# KiCad board Coral Dev Board Micro-PcbDoc.kicad_pcb (continued)
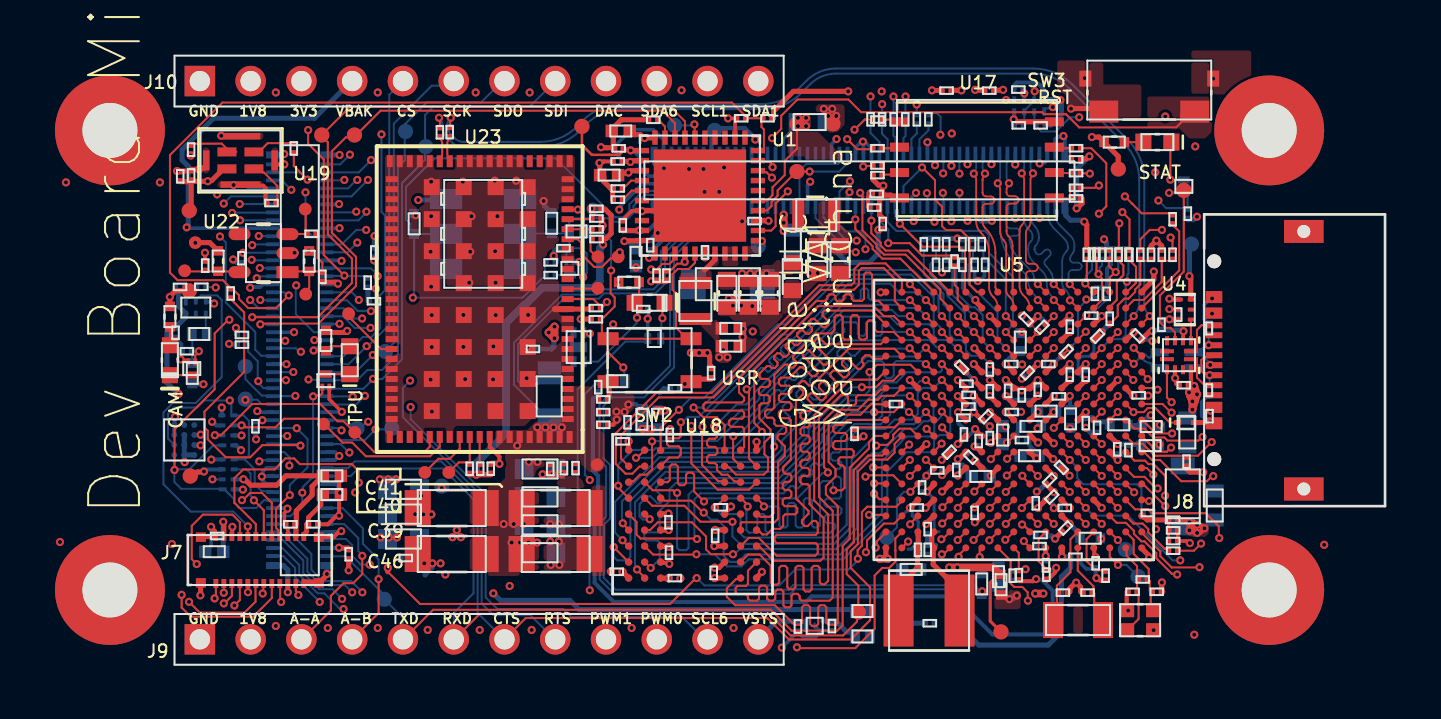
[diagram p0: board, top side]
## Routing (per net, layer and track width the routed paths; a pad name or vN(x,y) marks a point on that pad's centre or on a via; arc(x,y) is an arc through that point) (continued)
  In2.Cu w0.102: v1(46.88,23.99) 47.78,23.08 48.12,23.08 48.43,22.77 48.43,21.1 49.25,20.29 49.25,18.77 49.07,18.59 49.07,16.99 49.18,16.88 49.18,16.01 49.32,15.87 v1(49.32,14.29)
GPIO_SNVS_04: length 52.7
  Top w0.102: v1(43.05,9.45) 43.05,9.42 U5.N10
  In2.Cu w0.102: v1(6.72,18.99) 6.78,19.04 6.78,19.17 9.93,22.32 11.65,22.32 12.11,21.86 17.75,21.86 18.61,22.73 19.55,22.73 20.01,23.18 21.66,23.18 22.68,22.17 23.54,22.17 23.69,22.31 25.42,22.31 25.44,22.29 28.55,22.29 28.98,22.73 30.34,22.73 30.7,22.36 30.7,21.59 30.86,21.44 30.86,21.02 31.62,20.26 31.62,18.96 34.33,16.25 39.96,16.25 40.25,15.96 40.25,14.9 40.52,14.63 40.75,14.63 41.02,14.35 41.02,13.35 41.27,13.09 41.48,13.09 41.78,12.8 41.78,12.54 42.05,12.27 42.37,12.27 42.95,11.7 42.95,9.64 43.05,9.54 v1(43.05,9.45)
  Bottom w0.102: v1(6.72,18.99) 6.7,18.97 6.7,17.54 7.6,16.64 8.25,16.64 8.26,16.64
GPIO_SNVS_06: length 45.2
  Top w0.102: U5.M9 42.62,9.81 v1(42.27,9.47)
  In2.Cu w0.102: v1(42.27,9.47) 42.27,9.53 42.64,9.9 42.64,11.24 42.38,11.51 42.13,11.51 41.85,11.79 41.85,12 41.57,12.29 41.28,12.29 41.06,12.5 41.06,12.71 40.68,13.09 40.41,13.09 40.23,13.28 40.23,14.34 39.97,14.6 39.69,14.6 39.47,14.83 39.47,15.26 39.26,15.46 37.18,15.46 36.65,15.99 34.3,15.99 31.42,18.88 31.42,20.16 30.6,20.97 30.6,21.41 30.22,21.79 25.17,21.79 24.84,22.11 23.77,22.11 23.62,21.96 22.57,21.96 22.19,22.34 19.03,22.34 18.29,21.61 11.76,21.61 11.25,22.12 10.07,22.12 9.78,21.82 v1(9.78,21.13)
  Bottom w0.102: v1(9.78,21.13) 9.29,20.64 8.26,20.64
GPIO_SNVS_07: length 41.6
  Top w0.102: v1(42.22,7.05) U5.R9
  In2.Cu w0.102: v1(42.22,7.05) 42.22,7.04 42.55,6.71 42.55,5.87 40.38,3.7 38.41,3.7 38.29,3.83 34.28,3.83 31.79,6.32 31.79,6.79 29.36,9.21 25.29,9.21 24.66,8.58 22.67,8.58 22.45,8.8 22.45,9.28 20.76,10.97 18.57,10.97 18.11,11.42 9.26,11.42 8.99,11.69 v1(8.99,11.73)
  Bottom w0.102: 8.26,11.84 8.79,11.84 8.91,11.73 v1(8.99,11.73)
GPIO_SNVS_08: length 50.4
  Top w0.102: v1(42.22,8.65) U5.N9
  In5.Cu w0.102: v1(7.63,16.25) 6.9,16.25 5.61,14.95 5.61,14.24 5.99,13.86 9.22,13.86 10.02,14.66 11.11,14.66 11.91,13.86 22.57,13.86 23.54,14.83 26.18,14.83 26.6,14.41 30.29,14.41 34.39,10.31 34.39,7.46 35.12,6.72 35.97,6.72 37.15,5.54 38.13,5.54 38.63,6.04 38.63,7.99 38.9,8.27 41.84,8.27 v1(42.22,8.65)
  Bottom w0.102: 7.51,16.25 v1(7.63,16.25) ; 7.63,16.22 8.24,16.22 8.26,16.24
I2C1_SCL: length 86.4
  Top w0.102: U5.K16 48.62,11.05 49.08,11.05 49.35,10.78 49.68,10.46 51.26,10.46 51.26,10.46 51.83,10.46 52.51,11.14 v1(52.52,11.14)
  In2.Cu w0.102: 27.33,29.21 28.33,29.21 29.4,28.14 30.29,28.14 31.92,29.78 44.61,29.78 46.4,27.98 48.46,27.98 52.19,24.25 52.19,22.24 51.81,21.86 51.81,19.98 52.14,19.65 52.14,16.27 51.94,16.07 51.94,14.45 52.35,14.04 52.35,13.1 52.19,12.94 52.19,12.94 52.12,12.87 52.12,11.92 52.52,11.51 v1(52.52,11.14) ; v1(2.9,21.43) 1.85,22.48 1.85,24.26 2.23,24.64 2.23,26.46 3.91,28.14 18.69,28.14 18.69,28.14 26.09,28.14 27.16,29.21 J10.11
  Bottom w0.102: v1(2.9,21.43) 3.2,21.14 3.2,18.13 4.67,16.65 4.67,15.77 4.97,15.46 5.52,15.46 J5.51
I2C1_SDA: length 72.6
  Top w0.102: 50.49,12.62 50.06,13.05 U5.H17
  In5.Cu w0.102: v1(10.98,26.55) 11.36,26.92 20.09,26.92 21.11,27.93 22.91,27.93 23.12,28.14 27.74,28.14 28.81,29.21 29.81,29.21 29.83,29.22 ; J10.12 30.57,29.94 45.03,29.94 46.78,28.19 48.59,28.19 52.19,24.58 52.19,21.99 50.77,20.57 50.77,17.14 50.34,16.71 50.34,14.2 50.44,14.09 50.44,13.57 50.16,13.29 50.16,12.99 50.49,12.66 50.49,12.62
  Bottom w0.102: v1(10.98,26.55) 10.98,22.66 11.16,22.49 11.16,18.74 10.91,18.49 10.91,16.83 10.48,16.4 10.05,16.4 9.09,15.44 8.26,15.44
  vias: v1(50.52,12.62)
I2C5_SCL: length 63.9
  Top w0.102: 25.24,19.77 25.25,19.78 25.5,19.78 25.79,20.07 26.07,20.07 v1(26.16,20.16) 26.17,20.17 26.17,20.49 ; v1(41.42,8.65) U5.N8
  In2.Cu w0.102: v1(26.16,20.16) 26.84,20.85 29.8,20.85 30.81,19.84 30.81,18.63 34.25,15.18 35.48,15.18 36.9,13.76 36.9,13.43 37.28,13.05 38.36,13.05 38.6,12.81 38.6,12.54 38.85,12.29 39.16,12.29 40.18,11.27 40.18,10.91 40.51,10.57 40.85,10.57 41.09,10.33 41.09,9.11 41.36,8.84 41.36,8.71 v1(41.42,8.65)
  In5.Cu w0.102: v1(3.4,13.23) 3.4,14.32 8.91,19.83 18.04,19.83 19.13,20.92 21.03,20.92 21.66,20.29 23.36,20.29 23.79,20.72 25.6,20.72 v1(26.16,20.16)
  Bottom w0.102: J5.17 5.5,8.68 4.99,8.68 4.64,9.03 4.64,9.77 4.14,10.28 ; 3.54,10.28 U13.5 4.14,10.28 ; 4.14,10.28 4.15,10.28 4.35,10.48 4.35,12.21 4.08,12.48 3.52,12.48 3.47,12.53 3.47,13.07 3.4,13.14 v1(3.4,13.23) 2.11,13.23 1.76,12.87 0.61,12.87 0.3,12.56 0.3,11.32 U6.A3
I2C5_SCL_CAM: length 4.3
  Top w0.102: J7.7 5.1,7.73 v1(4.6,8.23)
  Bottom w0.102: v1(4.6,8.23) 4.6,8.29 4.44,8.46 4.44,9.57 4.23,9.78 U13.6
I2C5_SCL_MCM: length 12.1
  Top w0.102: v1(3.98,11.98) 4.07,11.98 4.17,11.88 4.78,11.88 4.78,11.88 5.68,11.88 6.11,12.31 7.77,12.31 8.04,12.05 8.09,12.05 ; TP41.1 8.11,12.04 9.04,11.12 9.52,11.12 10.21,10.43 13.42,10.43 13.9,10.91 u23.50
  Bottom w0.102: U10.6 3.89,11.98 3.98,11.88 v1(3.98,11.98)
I2C5_SDA: length 67.2
  Top w0.102: 24.75,19.77 24.77,19.77 24.85,19.85 24.85,19.87 25.03,20.06 25.4,20.06 25.59,20.25 25.59,20.5 U1.13 ; v1(3.37,17.26) 3.32,17.26 2.64,16.58 2.64,13.78 0.63,11.78 v1(0.63,9.75) ; v1(40.65,8.67) 40.65,8.67 U5.N7
  In2.Cu w0.102: v1(40.65,8.67) 40.65,9.2 39.95,9.9 38.83,9.9 38.62,10.11 38.62,10.47 38.41,10.69 38.1,10.69 37.79,11 37.79,11.21 37.3,11.7 37.11,11.7 35.71,13.1 34.7,13.1 30.3,17.5 30.3,18.2 29.64,18.87 25.39,18.87 v1(24.48,19.78) 24.48,19.7 23.57,18.79 22.7,18.79 22.12,19.37 22.12,19.92 21.17,20.87 18.92,20.87 17.93,19.88 10.65,19.88 8.21,17.44 6.11,17.44 5.35,16.68 4.47,16.68 3.88,17.26 v1(3.37,17.26)
  Bottom w0.102: U10.1 2.57,10.98 1.38,9.78 0.67,9.78 v1(0.63,9.75) ; U13.1 3.14,8.78 3.19,8.73 3.19,8.71 3.62,8.28 3.62,8.1 3.87,7.85 4.73,7.85 5.12,8.24 J5.15 ; v1(0.63,9.75) 0.62,9.74 0.62,9.15 0.96,8.8 3.04,8.8 ; v1(0.63,9.75) 0.63,9.75 0.63,10.49 U6.A4
I2C5_SDA_CAM: length 5.9
  Top w0.102: v1(4,8.24) 4.06,8.24 4.42,8.6 5.01,8.6 5.5,8.1 J7.8
  In2.Cu w0.102: v1(4,8.24) 3.57,8.24 v1(2.53,9.28)
  Bottom w0.102: v1(2.53,9.28) 2.53,9.28 3.01,9.28 U13.2
I2C5_SDA_MCM: length 13
  Top w0.102: v1(2.65,11.49) 2.96,11.49 4.52,13.05 7.92,13.05 8.78,12.18 9.09,12.18 TP42.1 10.61,10.67 13.16,10.67 13.4,10.91 u23.49
I2C6_SCL: length 66.5
  Top w0.102: v1(41.42,7.05) U5.R8
  In2.Cu w0.102: v1(12.44,12.9) 12.52,12.9 12.7,13.07 13.69,13.07 14.17,12.59 20.64,12.59 23.46,9.77 24.66,9.77 24.91,10.03 29.7,10.03 32.6,7.12 32.6,6.65 34.51,4.74 38.87,4.74 39.09,4.51 39.95,4.51 40.41,4.98 40.41,5.48 41.01,6.08 41.01,6.63 41.42,7.04 v1(41.42,7.05) ; v1(5.03,12.24) 5.38,12.59 7.84,12.59 8.13,12.3 9.55,12.3 10.05,12.81 12.41,12.81 12.47,12.87
  In5.Cu w0.102: 27.3,1.24 27.3,1.43
  Bottom w0.102: 27.3,1.24 27.17,1.24 26.03,2.38 20.49,2.38 20.09,2.79 16.79,2.79 16.2,3.37 16.2,8.53 12.44,12.29 v1(12.44,12.9)
I2C6_SDA: length 71
  Top w0.102: v1(7.32,26.76) 7.32,26.07 8.1,25.29 8.1,20.5 v1(9.13,19.47) ; v1(41.42,7.85) U5.P8
  In2.Cu w0.102: v1(41.42,7.85) 41.04,8.23 41.04,8.8 40.85,8.99 40.85,9.43 40.26,10.03 40.26,10.41 40.01,10.65 39.68,10.65 39.44,10.89 39.44,11.3 39.29,11.45 38.85,11.45 38.66,11.64 38.66,12 38.47,12.19 37.3,12.19 36.88,12.61 36.88,12.7 36.07,13.51 34.86,13.51 32.45,15.92 32.45,16.7 30.6,18.54 30.6,19.72 30.06,20.26 27.76,20.26 27.3,19.8 25.97,19.8 24.82,20.95 23.89,20.95 23.28,21.56 22.51,21.56 22.38,21.43 18.69,21.43 18.36,21.1 10.38,21.1 9.13,19.84 v1(9.13,19.47)
  In5.Cu w0.102: 24.73,29.21 23.73,29.21 22.65,28.14 20.85,28.14 20.47,27.76 8.31,27.76 v1(7.32,26.76)
  Bottom w0.102: 10.3,19.42 10.27,19.45 9.15,19.45 v1(9.13,19.47) 9.11,19.46 8.27,19.46 8.26,19.44
LED_BRD_A: length 0.9
  Top w0.102: R170.1 LED4.2
LED_BRD_K: length 2.6
  Top w0.102: v1(50.46,24.28) 50.46,26.1 LED4.1
  Bottom w0.102: v1(50.46,24.28) 51.14,24.28
LED_PRIVACY: length 0.9
  Top w0.102: LED2.A 0.4,15.99 R168.1
LED_PRIVACY_K: length 1.1
  Top w0.102: LED2.K 1.49,14.49 Q1.3
LED_TPU: length 1.3
  Top w0.102: R171.1 8.21,15.71 8.44,15.94 LED5.2
LED_TPU_K: length 1.2
  Top w0.102: Q3.3 8.2,14.54 LED5.1
LED_USR_A: length 1.2
  Top w0.102: R169.1 23.88,18.34 LED3.A ; 23.9,19.14 23.9,19.17
LED_USR_K: length 1.9
  Top w0.102: LED3.K 25.04,18 v1(25.04,17.34)
  Bottom w0.102: Q2.3 24.99,16.36 24.99,17.29 v1(25.04,17.34)
LPSPI1_PCS0: length 32.2
  Top w0.102: v1(49.6,9.52) 49.28,9.84 49.03,9.84 U5.M17
  In2.Cu w0.102: v1(49.6,9.52) 49.68,9.52 49.77,9.61 49.81,9.61 51.2,11 51.2,11.9 50.92,12.18 50.92,13.25 50.73,13.44 50.73,13.88 51.13,14.27 51.13,16.11 51.48,16.47 51.48,18.46 50.85,19.09 50.85,20.92 51.05,21.13 51.05,21.82 50.81,22.06 50.81,24.42 48.42,26.82 46.26,26.82 45.35,25.9 39.93,25.9 39.09,25.06 v1(39.09,24.59)
  Bottom w0.102: 39.1,25.6 39.1,24.61 v1(39.09,24.59)
LPSPI1_SCK: length 36.6
  Top w0.102: U5.L17 49.07,10.6 49.18,10.6 49.54,10.24 49.94,10.24 51,9.18 52.28,9.18 52.54,9.44 v1(52.6,9.44)
  In2.Cu w0.102: v1(52.6,9.44) 52.34,9.18 51.74,9.18 51.51,9.42 51.51,11.88 51.15,12.24 51.15,13.31 50.94,13.53 50.94,13.79 51.34,14.19 51.34,16.04 51.69,16.39 51.69,18.67 51.05,19.3 51.05,20.1 51.28,20.33 51.28,21.91 51.01,22.18 51.01,24.64 48.64,27.02 46.17,27.02 45.25,26.1 39.79,26.1 v1(38.68,25)
  Bottom w0.102: 38.7,25.6 38.68,25.58 v1(38.68,25)
LPSPI1_SDI: length 28.7
  Top w0.102: v1(50.54,11.57) 49.73,11.57 49.06,12.25 U5.J17
  In2.Cu w0.102: v1(50.54,11.57) 49.55,11.57 49.12,12.01 49.12,12.77 49.48,13.13 49.68,13.13 50.16,13.62 50.16,14.08 50.14,14.11 50.14,15.15 50.34,15.35 50.34,16.71 50.9,17.27 50.9,18.47 50.42,18.95 50.42,20.06 49.09,21.38 49.09,23.84 47.14,25.8 45.84,25.8 45.53,25.49 40.23,25.49 39.9,25.17 v1(39.9,24.58)
  Bottom w0.102: v1(39.9,24.58) 39.9,24.58 39.9,25.6
LPSPI1_SDO: length 28.8
  Top w0.102: U5.K17 49.55,10.92 49.55,10.87 49.76,10.66 50.28,10.66 50.48,10.86 v1(50.49,10.86)
  In2.Cu w0.102: v1(50.49,10.86) 50.52,10.86 50.92,11.27 50.92,11.71 50.03,12.6 50.03,13.2 50.37,13.53 50.37,14.17 50.34,14.2 50.34,15.06 50.54,15.27 50.54,16.62 51.15,17.23 51.15,18.5 50.64,19.01 50.64,21.05 50.82,21.23 50.82,21.63 49.3,23.16 49.3,24.05 47.34,26 45.74,26 45.43,25.7 40.13,25.7 39.6,25.17 39.6,25.15 39.5,25.05 v1(39.5,24.97)
  Bottom w0.102: v1(39.5,24.97) 39.5,24.97 J6.73 39.5,25.6
LPSPI6_CS0: length 50.1
  Top w0.102: v1(39.05,7.88) U5.P5
  In2.Cu w0.102: v1(10.25,15.94) 10.8,16.5 17.17,16.5 19.02,14.65 22.2,14.65 22.63,14.22 23.54,14.22 23.73,14.41 26.52,14.41 27.93,13 30.68,13 36.25,7.42 38.6,7.42 v1(39.05,7.88)
  Bottom w0.102: 12.06,29.24 J10.5 11.38,28.53 11.38,17.01 10.31,15.94 v1(10.25,15.94) 9.34,15.04 8.26,15.04
LPUART1_RXD: length 46.7
  In2.Cu w0.102: v1(42.24,28.26) 38.3,28.26 37.33,29.23 31.95,29.23 30.46,27.74 28.72,27.74 28.55,27.9 26.43,27.9 26.26,27.74 18.86,27.74 18.85,27.73 5.24,27.73 3.17,25.66 3.17,23.16 v1(3.09,23.08)
  Bottom w0.102: v1(42.24,28.26) 42.64,28.26 U14.5 ; v1(3.09,23.08) 3.45,23.44 J5.91
LPUART1_RXD_BT: length 27.2
  Top w0.102: U5.M15 v1(47.82,9.45)
  In5.Cu w0.102: v1(43.15,28.59) 43.16,28.59 43.4,28.35 43.92,28.35 44.22,28.65 45.17,28.65 46.64,27.17 48.35,27.17 51.08,24.45 51.08,23.51 49.99,22.42 49.78,22.42 49.15,21.79 49.15,18.19 49.07,18.11 49.07,17.3 49.2,17.17 49.2,15.05 48.85,14.71 48.55,14.71 48.19,14.34 48.19,9.81 v1(47.82,9.45)
  Bottom w0.102: v1(43.15,28.59) 43.15,28.61
LPUART1_TXD: length 48.3
  In2.Cu w0.102: v1(44.57,27.91) 38.53,27.91 38.22,27.6 35.62,27.6 35.11,28.11 34.42,28.11 33.71,28.82 31.83,28.82 30.54,27.53 28.63,27.53 28.47,27.7 26.51,27.7 26.35,27.53 18.95,27.53 18.43,27.02 12.68,27.02 12.18,27.52 5.32,27.52 3.95,26.15 3.95,23.11 v1(3.9,23.06)
  Bottom w0.102: J5.89 5.53,23.06 5.52,23.04 5.5,23.06 v1(3.9,23.06) ; v1(44.57,27.91) 44.49,27.91 44.42,27.84 44.19,27.84 44.14,27.79 U14.1
LPUART1_TXD_BT: length 27.7
  Top w0.102: U5.L13 v1(46.22,10.25)
  In5.Cu w0.102: v1(46.22,10.25) 46.63,10.66 47.19,10.66 47.4,10.87 47.4,14.33 47.72,14.65 47.95,14.65 48.18,14.87 48.18,15.23 48.45,15.51 48.77,15.51 48.99,15.73 48.99,16.78 48.76,17.02 48.55,17.02 48.27,17.3 48.27,17.6 48.94,18.27 48.94,22 49.56,22.62 49.91,22.62 50.82,23.54 50.82,24.41 48.27,26.97 46.32,26.97 v1(45.89,27.4)
  Bottom w0.102: U14.2 43.65,27.66 43.65,27.05 43.66,27.04 43.66,27.02 43.99,26.69 44.73,26.69 45.44,27.4 v1(45.89,27.4)
LPUART2_CTS_B: length 5.5
  Top w0.102: v1(36.34,21.1) 37.41,21.1 38.03,20.48 39.66,20.48
  Bottom w0.102: v1(36.34,21.1) 36.34,21.78 35.9,22.22 J6.56
LPUART2_CTS_B_R: length 2.3
  Top w0.102: 39.66,19.88 39.66,19 39.82,18.84 39.82,18.25 U5.B6
LPUART2_RTS_B: length 6.5
  Top w0.102: v1(35.5,22.23) 35.49,22.22 35.49,21.6 35.96,21.13 35.96,20.98 36.21,20.73 37.34,20.73 U5.A5
  Bottom w0.102: v1(35.5,22.23) 35.5,22.88 J6.54
LPUART2_RXD: length 6.8
  Top w0.102: v1(36.92,22.07) 38.07,20.92 39.89,20.92 40.18,20.64 40.18,18.69 U5.A6
  Bottom w0.102: v1(36.92,22.07) 36.92,22.13 36.7,22.35 J6.60
LPUART2_TXD: length 12.1
  Top w0.102: v1(42.22,16.65) U5.D9
  Bottom w0.102: v1(42.22,16.65) 42.58,17 42.58,19.41 41.37,20.62 41.37,21.51 41.17,21.71 36.74,21.71 36.3,22.16 J6.58
LPUART6_CTS_B: length 46.9
  Top w0.102: U5.K2 37.02,11.42 36.66,11.05 36.66,10.62 36.31,10.27 35.42,10.27 34.82,9.66 34.82,9.26 34.82,9.26 34.82,7.73 34.82,7.73 34.82,6.04 34.46,5.69 34.46,4.84 35.43,3.88 35.43,2.23 34.46,1.26 31.37,1.26 30.33,2.3 30.31,2.3 30.28,2.34 18.21,2.34 17.53,1.66 17.53,1.49 ; 17.18,1.24 17.48,1.54
  Bottom w0.102: 8.26,9.84 9.31,9.84 9.65,10.18 13.98,10.18 15.79,8.36 15.79,2.6 17.14,1.25
LPUART6_RTS_B: length 62.5
  Top w0.102: U5.K4 38.62,11.45 38.26,11.8 v1(38.26,11.8)
  In5.Cu w0.102: v1(6.57,14.65) 6.8,14.88 11.76,14.88 v1(12.42,14.22) 12.92,14.72 21.79,14.72 22.3,15.23 26.05,15.23 26.26,15.03 26.26,15.03 26.62,14.67 30.42,14.67 34.59,10.5 34.59,7.69 35.28,7 35.98,7 37.18,5.81 37.54,5.81 37.8,6.08 37.8,11.35 v1(38.26,11.8)
  Bottom w0.102: v1(12.42,14.22) 12.05,13.85 12.05,12.39 16,8.44 16,3.07 16.58,2.48 18.44,2.48 19.68,1.24 ; J5.47 5.55,14.64 6.57,14.64 v1(6.57,14.65)
LPUART6_RXD: length 47
  Top w0.102: U5.L1 36.22,10.65 36.04,10.47 35.34,10.47 34.62,9.75 34.62,9.17 34.62,9.17 34.62,7.82 34.62,7.81 34.62,6.12 34.26,5.77 34.26,4.54 34.84,3.95 TP31.1 34.78,2.57 34.78,2.16 34.08,1.47 31.45,1.47 30.37,2.55 15.91,2.55 14.6,1.24
  Bottom w0.102: 14.6,1.24 14.6,2.58 15.59,3.57 15.59,8.28 14.05,9.82 9.83,9.82 9.44,9.44 8.26,9.44
LPUART6_TXD: length 40.2
  Top w0.102: U5.K1 35.68,11.45 35.38,11.14 35.38,10.83 34.41,9.86 34.41,6.3 34.06,5.95 34.06,1.97 33.79,1.71 31.5,1.71 30.46,2.75 13.57,2.75 12.06,1.24
  Bottom w0.102: 8.26,5.44 8.27,5.43 9.19,5.43 10.96,3.66 10.96,3.62 11.13,3.45 TP30.1 12.06,2.34 12.06,1.24
LPUART8_RXD: length 45.6
  Top w0.102: v1(41.42,16.65) U5.D8
  In2.Cu w0.102: v1(7.18,23.64) 7.21,23.67 11.35,23.67 12.49,24.81 20.66,24.81 21.27,24.2 22.22,24.2 22.75,23.67 25.35,23.67 25.73,23.28 28.16,23.28 28.51,23.63 30.29,23.63 30.96,24.3 31.51,24.3 32.32,23.49 32.32,21.17 34.27,19.22 36.77,19.22 37.18,19.63 37.66,19.63 38.13,19.16 38.42,19.16 38.82,18.76 41.02,18.76 41.78,18 41.78,17 v1(41.42,16.65)
  Bottom w0.102: v1(7.18,23.64) 7.18,21.79 7.53,21.44 8.26,21.44
LPUART8_TXD: length 9.1
  Top w0.102: U5.B5 38.95,18.32 38.95,18.78 37.21,20.53 36.13,20.53 35.76,20.89 35.76,21.03 35.05,21.74 35.05,23.42 34.93,23.53 v1(34.93,23.61)
  Bottom w0.102: v1(34.93,23.61) 35.1,23.45 J6.52
MCM_1V8: length 81.7
  Top w0.102: v1(34.82,5.3) 34.81,5.32 34.81,5.74 35.02,5.96 35.02,7.65 35.29,7.91 35.61,7.91 ; 11.3,4.65 12.91,3.04 25.42,3.04 26.72,4.34 v1(26.76,4.34)
  Top w0.104: U5.P2 37.02,8.19 36.74,7.91 35.61,7.91
  Top w0.254: R99.2 2.8,20.72 2.39,21.13 TP34.1 v1(1.67,21.11) ; 22.04,22.81 22.04,22.79 22.04,22.79 22.18,22.79 22.48,22.5 22.48,21.58 22.22,21.33 22.05,21.33 22.05,21.04 v1(22.07,21.02) ; 15.4,9.51 v1(15.73,9.51) 16.45,9.51 16.45,9.51 ; 11.3,4.65 v1(11.3,4.84)
  In2.Cu w0.254: v1(3.98,11.47) 3.98,11.43 4.06,11.36 4.06,11.3 4.52,10.84 6.45,10.84 7.95,9.34 8.96,9.34 v1(9.67,8.62) ; v1(2.51,12.16) 2.51,15.64 1.67,16.48 1.67,21.11 v1(1.67,21.11)
  In3.Cu w0.381: v1(9.67,8.62) 9.67,8.63 9.63,8.63 9.36,8.91 9.36,9.32 9.89,9.85 15.38,9.85 v1(15.73,9.51) ; 9.68,8.62 10.36,7.94 10.36,5.97 11.3,5.03 v1(11.3,4.84)
  In5.Cu w0.203: v1(3.98,11.47) 3.93,11.47 3.83,11.57 3.82,11.57 3.23,12.16 v1(2.51,12.16)
  Bottom w0.102: v1(26.76,4.34) 26.78,4.34 27.15,3.97 30.89,3.97 31.69,4.77 34.36,4.77 34.82,5.22 v1(34.82,5.3)
  Bottom w0.203: v1(3.98,11.47) 3.98,11.48 3.6,11.48 U10.7 ; v1(2.51,12.16) 2.55,12.16 2.73,11.98 U10.3
  Bottom w0.381: v1(15.73,9.51) 15.73,10.08 17.22,11.57 17.22,17.1 18.12,18 18.16,18 19.03,18.86 21.59,18.86 21.92,19.19 21.92,20.86 22.07,21.02 v1(22.07,21.02)
MCM_1V8_R: length 2.7
  Top w0.102: 1.17,19.68 3.85,19.68
MCM_3V3: length 84.8
  Top w0.254: U5.D16 v1(48.62,16.65) ; v1(9.27,16.71) 9.23,16.71 9.15,16.63 8.31,16.63 R171.2
  In2.Cu w0.381: v1(17.5,6.11) v1(17.92,6.11) v1(18.34,6.11) v1(18.77,6.11) ; v1(18.78,11.88) v1(19.19,11.88) v1(19.59,11.88) v1(20.01,11.88)
  In3.Cu w0.381: 7.35,20.68 7.35,19.36 9.38,17.33 9.38,16.83 9.27,16.71 v1(9.27,16.71) ; v1(17.5,6.11) v1(17.92,6.11) v1(18.34,6.11) v1(18.77,6.11) ; v1(7.35,20.73) 7.35,20.74 7.36,20.75 7.36,22.74 8.38,23.75 12.24,23.75 12.47,23.98 12.89,23.98 13.2,23.68 17.94,23.68 18.06,23.81 19.68,23.81 20.17,23.32 20.17,18.36 18.84,17.04 18.84,15.83 19.57,15.11 21.35,15.11 23.22,16.98 23.22,17.52 23.71,18 23.99,18 24.98,18.98 24.98,21.07 25.32,21.42 25.32,22.55 25.88,23.11 31.34,23.11 34.84,19.6 37.66,19.6 38.63,18.64 39.43,18.64
  In4.Cu w0.381: v1(18.78,11.88) v1(19.19,11.88) v1(19.59,11.88) v1(20.01,11.88) ; v1(17.5,6.11) v1(17.92,6.11) v1(18.34,6.11) v1(18.77,6.11)
  In5.Cu w0.381: v1(18.78,11.88) v1(19.19,11.88) v1(19.59,11.88) v1(20.01,11.88) ; v1(17.5,6.11) v1(17.92,6.11) v1(18.34,6.11) v1(18.77,6.11)
  Bottom w0.102: J6.6 25.9,22.65 25.94,22.61 25.95,22.61 26.03,22.52 26.03,21.76 24.96,20.69 24.96,19.15 24.6,18.79 22.04,18.79 21.77,18.52 20.02,18.52 17.61,16.12 17.61,14.02 R22.2
  vias: v1(17.1,7.04) v1(17.6,7.04) v1(17.78,10.97) v1(18.1,7.04) v1(18.36,10.15) v1(18.79,10.15)
MCM_3V3_SENSE: length 17
  Bottom w0.102: J6.8 26.26,22.84 26.26,22.57 26.23,22.55 26.23,21.68 25.17,20.61 25.17,19.07 24.68,18.59 22.12,18.59 21.85,18.32 20.1,18.32 17.81,16.03 17.81,14.2 18.03,13.99 18.63,13.99 18.73,14.08 18.85,14.08 R22.1 19.1,14.88
MCM_AON: length 1.2
  Top w0.102: u23.54 15.9,11.39 15.9,10.18
MCM_AON_PMIC_EN: length 2.5
  Top w0.102: TP43.1 14.36,9.63 14.86,10.13 15.38,10.13 15.4,10.11 ; 15.36,10.14 15.4,10.18 u23.53
MCM_BT_PHY_PRG: length 1.8
  Top w0.102: v1(21.48,22.83) 21.45,22.83 21.44,22.81 21.44,22.33 ; u23.84 21.44,22.3
  Bottom w0.102: TP35.1 21.55,22.81 21.54,22.83 v1(21.48,22.83)
MCM_LDO_EN: length 2.2
  Top w0.102: 6.29,21.56 7.18,21.56 ; 6.79,21.55 6.8,21.56 ; TP32.1 7.19,22.78 7.19,21.57 7.19,21.56
MCM_LDO_IN: length 4.9
  Top w0.102: 7.39,19.68 7.39,19.68 8.03,19.68 8.03,20.12 7.79,20.35 7.79,21.56 ; TP29.1 7.2,18.69 7.37,18.86 R93.2 6.32,19.68 U22.1
MCM_SD_ALARM: length 24.9
  Top w0.102: v1(39.01,11.07) 39.01,11.05 38.62,10.66 U5.L4 ; u23.82 20.8,21.3 20.98,21.13 20.98,20.56 21.63,19.91 22.02,19.91 22.45,20.34 22.6,20.34 v1(22.91,20.64)
  In2.Cu w0.102: v1(39.01,11.07) 38.94,11.07 38.56,11.45 37.84,11.45 37.3,11.99 37.21,11.99 35.9,13.3 34.78,13.3 30.5,17.58 30.5,18.29 29.7,19.09 26.15,19.09 24.52,20.72 23.12,20.72 23.1,20.7 22.97,20.7 v1(22.91,20.64)
MCM_USB2_D_N: length 1.2
  Top w0.02: 14.01,25.5 arc(14,25.48) 14,25.47 ; 14.01,25.5 arc(14.02,25.51) 14.02,25.52
  Top w0.102: 14.02,26.07 14.02,25.52 ; 14,25.47 14,25.39 arc(13.98,25.3) 13.93,25.23 u23.14 ; 14.02,26.07 arc(13.99,26.22) 13.91,26.35
MCM_USB2_D_P: length 1.2
  Top w0.02: 14.3,25.47 arc(14.3,25.48) 14.29,25.5 arc(14.28,25.51) 14.28,25.52
  Top w0.102: 14.28,25.52 14.28,26.06 arc(14.31,26.22) 14.4,26.35 arc(14.4,26.35) 14.4,26.36 ; 14.3,25.47 14.3,25.39 arc(14.32,25.3) 14.37,25.23 u23.13
MCM_USB_SEL: length 2.7
  Top w0.102: TP36.1 21.75,20.41 21.45,20.72 21.45,21.3 ; 21.45,21.28 21.45,21.79 21.44,21.79 20.31,21.79 u23.83
MCU_DCDC_IN: length 8.8
  Top w0.102: 41.85,4.51 41.85,4.6
  Top w0.152: 41.85,4.51 41.44,4.11 41.44,2.18 TP17.1
  Top w0.254: U5.N5 39.42,9.04 39.05,8.67 v1(39.04,8.67) ; U5.M5 39.07,9.49 v1(39.04,9.49) ; U5.L5 39.03,10.25 v1(39.02,10.25)
  Top w0.381: 41.85,4.6 41.58,4.87 v1(39.39,4.87)
  In2.Cu w0.381: v1(39.39,4.87) v1(39.8,4.87)
  In4.Cu w0.381: v1(39.39,4.87) v1(39.8,4.87)
  In5.Cu w0.381: v1(39.39,4.87) v1(39.8,4.87)
MIC_CH_SEL: length 2
  Top w0.102: 5.78,23.11 5.77,23.11 5.77,23.97 5.1,24.64 5.03,24.64 4.99,24.68 4.99,24.75
MIC_CLK: length 55.5
  Top w0.102: v1(7.29,24.28) 6.6,24.96 6.6,25.54 ; v1(39.82,8.65) U5.N6
  In5.Cu w0.102: v1(7.29,24.28) 7.68,23.88 11.13,23.88 12.34,25.09 20.52,25.09 21.51,26.08 21.51,26.08 21.73,26.31 23.49,26.31 24.2,25.6 28.07,25.6 29.49,27.02 30.82,27.02 32.3,25.54 34.4,25.54 34.55,25.39 35.23,25.39 36.47,24.14 36.47,22.88 36.23,22.63 36.23,21.83 36.72,21.33 36.72,13.51 37.16,13.07 39.94,13.07 40.23,12.78 40.23,9.06 v1(39.82,8.65)
  Bottom w0.102: J5.97 6.9,24.64 7.27,24.28 v1(7.29,24.28)
MIC_CLK_R: length 2.2
  Top w0.102: U19.2 4.86,25.67 5.29,26.1 6.56,26.1 6.6,26.14
MIPI_CSI_CK_N: length 5.8
  Top w0.089: v1(44.62,19.05) U5.A12
  Bottom w0.089: 43.88,21.46 43.88,21.37 43.88,21.37 arc(43.87,21.35) 43.87,21.33 arc(43.87,21.29) 43.86,21.25 arc(43.86,21.25) 43.86,21.24 arc(43.8,21.1) 43.71,20.97 arc(43.67,20.92) 43.66,20.85 43.66,20.8 arc(43.66,20.78) 43.66,20.77 43.72,20.64 arc(43.85,20.53) 44.01,20.58 44.16,20.73 arc(44.29,20.78) 44.42,20.73 arc(44.47,20.6) 44.42,20.47 44.2,20.25 arc(44.15,20.12) 44.2,19.99 44.29,19.9 44.49,19.62 arc(44.5,19.6) 44.51,19.58 arc(44.51,19.57) 44.51,19.56 arc(44.57,19.37) 44.59,19.18 44.59,19.13 arc(44.59,19.1) 44.61,19.07 arc(44.61,19.06) v1(44.62,19.05) ; J6.94 arc(43.47,22.84) 43.46,22.79 43.46,22.46 arc(43.52,22.18) 43.68,21.94 arc(43.8,21.77) 43.86,21.58 arc(43.87,21.52) 43.88,21.46
MIPI_CSI_CK_P: length 5.8
  Top w0.089: v1(44.62,18.25) U5.B12
  Bottom w0.089: J6.92 arc(43.13,22.84) 43.14,22.79 43.14,22.29 arc(43.19,22.04) 43.33,21.84 43.45,21.72 arc(43.53,21.6) 43.56,21.46 43.56,21.37 arc(43.54,21.28) 43.48,21.2 arc(43.38,21.04) 43.34,20.85 43.34,20.79 arc(43.41,20.43) 43.62,20.13 44.06,19.68 arc(44.22,19.45) 44.27,19.17 44.27,19.08 arc(44.35,18.71) 44.56,18.39 44.57,18.38 arc(44.61,18.32) v1(44.62,18.25)
MIPI_CSI_D0_N: length 5.8
  Top w0.089: v1(43.82,19.05) U5.A11
  Bottom w0.089: J6.88 arc(42.27,22.84) 42.26,22.79 42.26,22.02 arc(42.31,21.89) 42.44,21.84 42.74,21.84 arc(42.87,21.78) 42.92,21.65 arc(42.87,21.52) 42.74,21.47 42.58,21.47 arc(42.44,21.4) 42.4,21.24 42.48,20.92 arc(42.49,20.89) 42.5,20.87 arc(42.53,20.82) 42.55,20.77 arc(42.73,20.51) 42.93,20.27 43.48,19.72 arc(43.59,19.55) 43.63,19.35 43.63,19.35 arc(43.65,19.27) 43.7,19.2 43.81,19.09 arc(43.82,19.07) v1(43.82,19.05)
MIPI_CSI_D0_P: length 5.8
  Top w0.089: v1(43.82,18.25) U5.B11
  Bottom w0.089: 41.94,22.79 41.94,21.83 arc(42.13,20.89) 42.66,20.09 43.25,19.5 arc(43.3,19.43) 43.32,19.35 arc(43.41,18.87) 43.68,18.47 43.77,18.38 arc(43.81,18.32) v1(43.82,18.25) ; 41.94,22.79 arc(41.93,22.84) J6.86
MIPI_CSI_D1_N: length 5.8
  Top w0.089: v1(45.42,19.05) U5.A13
  Bottom w0.089: v1(45.42,19.05) 45.41,19.06 arc(45.38,19.1) 45.36,19.16 arc(45.36,19.17) 45.36,19.18 45.36,19.26 45.36,19.26 45.36,19.57 arc(45.41,19.7) 45.54,19.75 45.83,19.75 arc(45.96,19.81) 46.02,19.94 arc(45.96,20.07) 45.83,20.12 45.62,20.12 arc(45.46,20.2) 45.45,20.38 45.48,20.47 45.48,20.47 45.61,20.65 arc(45.62,20.67) 45.62,20.69 arc(45.65,20.78) 45.65,20.88 45.65,21.02 arc(45.61,21.25) 45.48,21.44 44.94,21.98 arc(44.73,22.29) 44.66,22.66 44.66,22.79 arc(44.67,22.84) J6.100
MIPI_CSI_D1_P: length 5.7
  Top w0.089: U5.B13 45.82,17.85 45.43,18.24 v1(45.43,18.24)
  Bottom w0.089: 44.63,21.84 45.16,21.31 arc(45.29,21.11) 45.34,20.89 45.34,20.88 arc(45.32,20.78) 45.26,20.69 45.26,20.69 arc(45.1,20.45) 45.04,20.17 arc(45.04,20.17) 45.04,20.17 45.04,19.09 arc(45.07,18.94) 45.15,18.82 45.25,18.73 arc(45.38,18.5) v1(45.43,18.24) ; 44.34,22.53 44.34,22.79 ; 44.34,22.53 arc(44.37,22.29) 44.46,22.07 arc(44.53,21.95) 44.62,21.84 ; 44.34,22.79 arc(44.33,22.84) J6.98
MIPI_DSI_CK_N: length 7.8
  Top w0.089: v1(42.38,24.1) 42.38,24.1 arc(42.36,24.02) 42.32,23.95 arc(42.31,23.94) 42.3,23.93 arc(42.29,23.91) 42.28,23.89 42.26,23.81 42.26,23.63 arc(42.31,23.5) 42.44,23.45 42.68,23.45 arc(42.81,23.39) 42.86,23.26 arc(42.81,23.13) 42.68,23.08 42.44,23.08 arc(42.31,23.03) 42.26,22.89 42.26,21.68 arc(42.28,21.56) 42.35,21.46 42.35,21.46 arc(42.5,21.23) 42.56,20.95 42.56,18.8 arc(42.57,18.75) 42.59,18.7 arc(42.6,18.67) U5.A9
  Bottom w0.089: 42.3,25.6 arc(42.27,25.55) 42.26,25.5 42.26,24.39 arc(42.27,24.31) 42.32,24.24
MIPI_DSI_CK_P: length 7.9
  Top w0.089: U5.B9 42.62,17.93 arc(42.57,18.18) 42.43,18.39 arc(42.43,18.39) 42.42,18.39 arc(42.39,18.42) 42.37,18.45 arc(42.27,18.59) 42.24,18.75 42.24,20.95 arc(42.21,21.11) 42.12,21.24 arc(41.99,21.44) 41.94,21.68 41.94,23.81 arc(41.93,23.88) 41.88,23.95 arc(41.84,24.02) 41.82,24.1 v1(41.82,24.1)
  Bottom w0.089: 41.94,25.5 41.94,24.39 arc(41.93,24.31) 41.88,24.24 ; 41.94,25.5 arc(41.93,25.55) 41.9,25.6
